# Altium PCB PCB5.PcbDoc (continued)
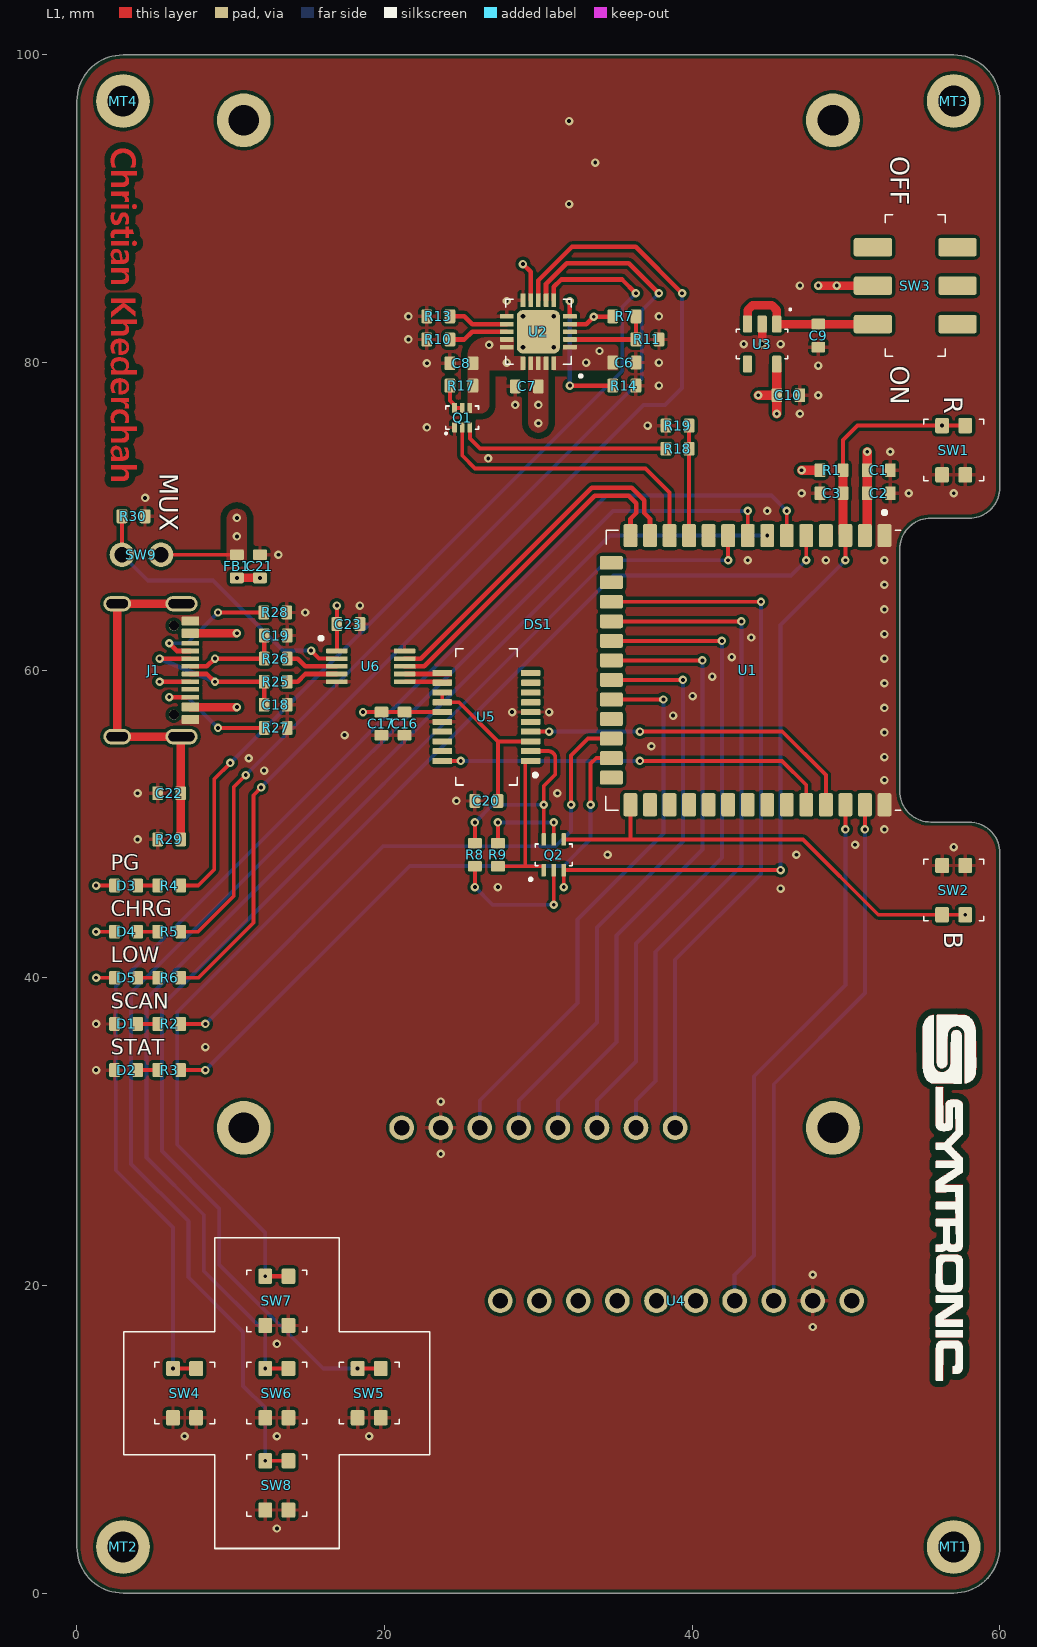
[diagram p0: L1 view]
## Components (designator, comment, footprint, x,y, rotation, side; value= is the part's Value field where it differs from the comment)
B1 "1200mAh" BATTERY 30,93 r0 bottom
C1 "22 μF" "CAPACITOR 0603" 52.13,73 r180 top
C2 "0.1 μF" "CAPACITOR 0603" 52.13,71.5 r180 top
C3 "1 μF" "CAPACITOR 0603" 49.06,71.5 r0 top
C4 "0.1 μF" "CAPACITOR 0603" 57,75.9 r180 bottom
C5 "0.1 μF" "CAPACITOR 0603" 57,44.1 r180 bottom
C6 "4.7 μF" "CAPACITOR 0603" 35.59,80 r180 top
C7 "10 μF" "CAPACITOR 0603" 29.25,78.45 r0 top
C8 "4.7 μF" "CAPACITOR 0603" 25,79.95 r180 top
C9 "4.7 μF" "CAPACITOR 0603" 48.2,81.75 r90 top
C10 "4.7 μF" "CAPACITOR 0603" 46.25,77.875 r0 top
C11 "0.1 μF" "CAPACITOR 0603" 7,14.6 r180 bottom
C12 "0.1 μF" "CAPACITOR 0603" 19,14.6 r180 bottom
C13 "0.1 μF" "CAPACITOR 0603" 13,14.6 r180 bottom
C14 "0.1 μF" "CAPACITOR 0603" 13,20.6 r180 bottom
C15 "0.1 μF" "CAPACITOR 0603" 13,8.6 r180 bottom
C16 "0.1 μF" "CAPACITOR 0603" 21.3,56.527 r90 top
C17 "4.7 μF" "CAPACITOR 0603" 19.8,56.527 r90 top
C18 "47 pF" "CAPACITOR 0603" 12.925,57.75 r180 top
C19 "47 pF" "CAPACITOR 0603" 12.925,62.25 r180 top
C20 "0.1 μF" "CAPACITOR 0603" 26.625,51.5 r0 top
C21 "10 nF" "CAPACITOR 0603" 11.9,66.75 r270 top
C22 "4.7 μF" "CAPACITOR 0603" 6,52 r0 top
C23 "0.1 μF" "Capacitor 0603" 17.65,63 r180 top
D1 "Blue" "LED 0603" 3.2,37 r180 top
D2 "Green" "LED 0603" 3.2,34 r180 top
D3 "Green" "LED 0603" 3.2,46 r0 top
D4 "Blue" "LED 0603" 3.2,43 r0 top
D5 "Red" "LED 0603" 3.2,40 r0 top
DS1 "FT231XS-R" SCREEN 30,63 r90 top locked
FB1 "0.6kΩ" "FERRITE BEAD 0603" 10.4,66.75 r90 top
J1 "USB4105-GF-A" USB4105-GF-A 5,60 r270 top locked
MT1 "Mounting" Mounting 57,3 r0 top
MT2 "Mounting" Mounting 3,3 r0 top
MT3 "Mounting" Mounting 57,97 r0 top
MT4 "Mounting" Mounting 3,97 r0 top
Q1 "DMC2400UV-7" "MOSFET N/P-CH" 25.05,76.415 r0 top
Q2 "MBT3904DW1T1G" "2NPN TRANSISTOR" 31,48 r0 top
R1 "10kΩ" "RESISTOR 0603" 49.06,73 r0 top
R2 "430Ω" "RESISTOR 0603" 6,37 r180 top
R3 "0.47kΩ" "RESISTOR 0603" 6,34 r180 top
R4 "0.47kΩ" "RESISTOR 0603" 6,46 r0 top
R5 "430Ω" "RESISTOR 0603" 6,43 r0 top
R6 "0.47kΩ" "RESISTOR 0603" 6,40 r0 top
R7 "330kΩ" "RESISTOR 0603" 35.59,83 r180 top
R8 "10kΩ" "RESISTOR 0603" 25.875,48 r270 top
R9 "10kΩ" "RESISTOR 0603" 27.375,48 r90 top
R10 "4.7kΩ" "RESISTOR 0603" 23.5,81.5 r180 top
R11 "110kΩ" "RESISTOR 0603" 37.09,81.5 r180 top
R13 "100kΩ" "RESISTOR 0603" 23.5,83 r180 top
R14 "10kΩ" "THERMISTOR 0603" 35.59,78.5 r0 top
R17 "110kΩ" "RESISTOR 0603" 25,78.5 r180 top
R18 "30kΩ" "RESISTOR 0603" 39.05,74.4 r180 top
R19 "110kΩ" "RESISTOR 0603" 39.05,75.9 r0 top
R25 "27Ω" "RESISTOR 0603" 12.925,59.25 r0 top
R26 "27Ω" "RESISTOR 0603" 12.925,60.75 r0 top
R27 "5.1kΩ" "RESISTOR 0603" 12.925,56.25 r180 top
R28 "5.1kΩ" "RESISTOR 0603" 12.9,63.75 r180 top
R29 "100kΩ" "RESISTOR 0603" 6,49 r0 top
R30 "10kΩ" "RESISTOR 0603" 3.68,70 r0 top
SW1 "R-667843" R-667843 57,74.3 r90 top
SW2 "R-667843" R-667843 57,45.7 r90 top
SW3 "JS202011SCQN" JS202011SCQN 54.5,85 r90 top
SW4 "R-667843" R-667843 7,13 r90 top
SW5 "R-667843" R-667843 19,13 r90 top
SW6 "R-667843" R-667843 13,13 r90 top
SW7 "R-667843" R-667843 13,19 r90 top
SW8 "R-667843" R-667843 13,7 r90 top
SW9 "JUMPER" JUMPER 4.2,67.5 r270 top locked
U1 "ESP32-S3-WROOM-1-N16" ESP32-C3-WROOM-1 52.5,60 r270 top locked
U2 "MCP73871T-2CCI/ML" MCP73871 30,82 r180 top
U3 "TLV75533PDBVR" TLV75533PDBVR 44.55,81.2 r270 top
U4 "YUMILI1otydzvg2c" GY-9250 38.95,19 r270 top locked
U5 "FT231XS-R" FT231XS-R 26.625,56.959 r90 top
U6 "FSUSB42MUX" FSUSB42MUX 19.1,60.25 r270 top

## Footprints (in the part's own frame and the unit in brackets; to place one, negate y for a bottom-side part, rotate by r counter-clockwise, add the part's x,y. Pads: shape width x height; smd on the part's side, far side on the other; paste and mask are expansions set on the pad)
"2NPN TRANSISTOR" [mm]
  rrect25% 0.3x0.8 smd: 1(-0.65,-1) 2(0,-1) 3(0.65,-1) 4(-0.65,1) 5(0,1) 6(0.65,1)
  silkscreen extent -1.55,-1.65 1.2,0.7, body extent -1.01,-1.1 1.01,1.1, height 1.1
BATTERY [mm]
  rrect25% 2x4 smd: +(-2,0) -(2,0)
"CAPACITOR 0603" [mm] "Capacitor0603"
  rrect25% 0.7x0.9 smd: A(-0.75,0) B(0.75,0)
  body extent -0.8,-0.4 0.8,0.4, height 0.9
"Capacitor 0603" [mm] "Capacitor0603"
  rrect25% 0.7x0.9 smd: A(-0.75,0) B(0.75,0)
  body extent -0.8,-0.4 0.8,0.4, height 0.9
ESP32-C3-WROOM-1 [mm] "MCU"
  rrect25% 1.5x0.9 smd: 1(-8.75,0) 2(-8.75,-1.27) 3(-8.75,-2.54) 4(-8.75,-3.81) 5(-8.75,-5.08) 6(-8.75,-6.35) 7(-8.75,-7.62) 8(-8.75,-8.89) 9(-8.75,-10.16) 10(-8.75,-11.43) 11(-8.75,-12.7) 12(-8.75,-13.97) 13(-8.75,-15.24) 14(-8.75,-16.51) 27(8.75,-16.51) 28(8.75,-15.24) 29(8.75,-13.97) 30(8.75,-12.7) 31(8.75,-11.43) 32(8.75,-10.16) 33(8.75,-8.89) 34(8.75,-7.62) 35(8.75,-6.35) 36(8.75,-5.08) 37(8.75,-3.81) 38(8.75,-2.54) 39(8.75,-1.27) 40(8.75,0)
  rrect25% 0.9x1.5 smd: 15(-6.985,-17.757) 16(-5.715,-17.757) 17(-4.445,-17.757) 18(-3.175,-17.757) 19(-1.905,-17.757) 20(-0.635,-17.757) 21(0.635,-17.757) 22(1.905,-17.757) 23(3.175,-17.757) 24(4.445,-17.757) 25(5.715,-17.757) 26(6.985,-17.757)
  silkscreen extent -10.36,-18.12 9.1,1.05, body extent -9,-18.01 9,7.49, height 3.25
"FERRITE BEAD 0603" [mm] "Ferrite Bead 0603"
  rrect25% 0.7x0.9 smd: A(-0.75,0) B(0.75,0)
  body extent -0.8,-0.4 0.8,0.4, height 0.95
FSUSB42MUX [mm]
  rrect25% 0.3x1.4 smd: 1(-1,-2.2) 2(-0.5,-2.2) 3(0,-2.2) 4(0.5,-2.2) 5(1,-2.2) 6(1,2.2) 7(0.5,2.2) 8(0,2.2) 9(-0.5,2.2) 10(-1,2.2)
  silkscreen extent -1.92,-3.32 -1.73,-3.13, body extent -1.5,-2.45 1.5,2.45, height 1.1
FT231XS-R [mil] "USB to UART Bridge"
  rrect25% 15.75x50 smd mask+1.97: 1(-112.5,-113) 2(-87.5,-113) 3(-62.5,-113) 4(-37.5,-113) 5(-12.5,-113) 6(12.5,-113) 7(37.5,-113) 8(62.5,-113) 9(87.5,-113) 10(112.5,-113) 11(112.5,113) 12(87.5,113) 13(62.5,113) 14(37.5,113) 15(12.5,113) 16(-12.5,113) 17(-37.5,113) 18(-62.5,113) 19(-87.5,113) 20(-112.5,113)
  silkscreen extent -174,-129 174,79, body extent -170,-118 170,118, height 69
GY-9250 [mm] "IMU"
  round 1.6 hole 1: 1(0,11.43) 2(0,8.89) 3(0,6.35) 4(0,3.81) 5(0,1.27) 6(0,-1.27) 7(0,-3.81) 8(0,-6.35) 9(0,-8.89) 10(0,-11.43)
  body extent -1.5,-12.7 13.5,12.7, height 6.1
JS202011SCQN [mm] "SWITCH SLIDE DPDT 300MA 6V"
  rrect25% 1.2x2.5 smd: 1(-2.5,-2.75) 2(0,-2.75) 3(2.5,-2.75) 4(-2.5,2.75) 5(0,2.75) 6(2.5,2.75)
  silkscreen extent -4.6,-1.95 4.6,1.95, body extent -4.5,-3.75 4.5,3.75, height 5.51
JUMPER [mm]
  round 1.6 hole 1: A(0,1.27) B(0,-1.27)
  body extent -1.27,-2.67 1.27,2.54, height 7.88
"LED 0603" [mm] "Resistor 0603"
  rrect25% 0.7x0.9 smd: A(-0.75,0) B(0.75,0)
  body extent -0.8,-0.4 0.8,0.4, height 0.35
MCP73871 [mm]
  rrect25% 0.9x0.3 smd: 1(-2.05,1) 2(-2.05,0.5) 3(-2.05,0) 4(-2.05,-0.5) 5(-2.05,-1) 11(2.05,-1) 12(2.05,-0.5) 13(2.05,0) 14(2.05,0.5) 15(2.05,1)
  rrect25% 0.3x0.9 smd: 6(-1,-2.05) 7(-0.5,-2.05) 8(0,-2.05) 9(0.5,-2.05) 10(1,-2.05) 16(1,2.05) 17(0.5,2.05) 18(0,2.05) 19(-0.5,2.05) 20(-1,2.05)
  rrect25% 2.8x2.8 smd: 21(0,0)
  silkscreen extent -2.8,-2.1 2.12,2.92, body extent -2,-2 2,2, height 1
"MOSFET N/P-CH" [mm] "MOSFET N/P-CH"
  rrect25% 0.3x0.67 smd: 1(-0.5,-0.635) 2(0,-0.635) 3(0.5,-0.635) 4(-0.5,0.635) 5(0,0.635) 6(0.5,0.635)
  silkscreen extent -1.06,-1.03 1.06,0.76, body extent -0.8,-0.8 0.8,0.8, height 0.6
Mounting [mm]
  round 3.5 hole 2: X(0,0)
R-667843 [mm] "SWITCH TACTILE SPST-NO 0.05A 12V"
  rrect25% 1x0.9 smd: A(-1.6,-0.75) A(-1.6,0.75) B(1.6,-0.75) B(1.6,0.75)
  silkscreen extent -2,-1.95 2,1.95, body extent -1.95,-1.9 1.95,1.9, height 1.5
"RESISTOR 0603" [mm] "Resistor 0603"
  rrect25% 0.7x0.9 smd: A(-0.75,0) B(0.75,0)
  body extent -0.8,-0.4 0.8,0.4, height 0.55
SCREEN [mm]
  round 1.6 hole 1: 1(-32.75,8.89) 2(-32.75,6.35) 3(-32.75,3.81) 4(-32.75,1.27) 5(-32.75,-1.27) 6(-32.75,-3.81) 7(-32.75,-6.35) 8(-32.75,-8.89)
  round 3.5 hole 2: X(-32.75,-19.15) X(-32.75,19.15) X(32.75,-19.15) X(32.75,19.15)
  body extent -35.25,-21.65 35.25,21.65, height 7
"THERMISTOR 0603" [mm] "Thermistor 0603"
  rrect25% 0.7x0.9 smd: A(-0.75,0) B(0.75,0)
  body extent -0.8,-0.4 0.8,0.4, height 0.9
TLV75533PDBVR [mm] "IC REG LINEAR 3.3V 500MA SOT23-5"
  rrect25% 1.1x0.6 smd: 1(-1.3,0.95) 2(-1.3,0) 3(-1.3,-0.95) 4(1.3,-0.95) 5(1.3,0.95)
  silkscreen extent -2.25,-1.67 0.96,1.83, body extent -1.4,-1.45 1.4,1.45, height 1.45
USB4105-GF-A [mm] "CONN RCPT TYPE C 6P SMD RA"
  round 0.65 hole 0.65 unplated paste+0: 36(-2.89,1.303)
  round 0.65 hole 0.65 unplated mask+0.102: 36(2.89,1.303)
  rrect25% 0.6x1.15 smd: A1(-3.2,2.378) A4(-2.4,2.378) B1(3.2,2.378) B4(2.4,2.378)
  rrect25% 0.3x1.15 smd: A5(-1.25,2.378) A6(-0.25,2.378) A7(0.25,2.378) A8(1.25,2.378) B5(1.75,2.378) B6(0.75,2.378) B7(-0.75,2.378) B8(-1.75,2.378)
  oval 1x2.1 hole 0.6 slot 1.7 at 90 deg: SHELL(-4.32,1.803) SHELL(4.32,1.803)
  oval 1x1.8 hole 0.6 slot 1.4 at 90 deg: SHELL(-4.32,-2.377) SHELL(4.32,-2.377)
  body extent -4.47,-4.98 4.47,2.73, height 3.31

## Part data
B1: library part Battery, "Lipobatteri - 103040 - 1.200 mAh", Manufacturer=batterikungen, Manufacturer Part Number=103040, Supplier Part Number 1=827-016, Supplier 1=Batterikungen
C1: library part "22 μF 0603", "Capacitor 22 μF", Manufacturer="Murata Electronics", Manufacturer Part Number=GRM188R60G226MEA0D, Supplier Part Number 1=490-5526-1-ND, Supplier 1=Digikey
C2 C4 C5 C11 C12 C13 C14 C15 C16 C20 C23: library part "0.1 μF 0603", "Capacitor 0.1 μF", Manufacturer="Samsung Electro-Mechanics", Manufacturer Part Number=CL10B104KB8NNWC, Supplier Part Number 1=1276-1935-1-ND, Supplier 1=Digikey
C3: library part "1 μF 0603", "Capacitor 1 μF", Manufacturer="Samsung Electro-Mechanics", Manufacturer Part Number=CL10A105KA8NNNC, Supplier Part Number 1=1276-1102-1-ND, Supplier 1=Digikey
C6 C8 C9 C10 C17 C22: library part "4,7 μF 0603", "Capacitor 4.7 μF", Manufacturer="Samsung Electro-Mechanics", Manufacturer Part Number=CL10A475KP8NNNC, Supplier Part Number 1=1276-1044-1-ND, Supplier 1=Digikey
C7: library part "10 μF 0603", "Capacitor 10 μF", Manufacturer="Samsung Electro-Mechanics", Manufacturer Part Number=CL10A106MQ8NNNC, Supplier Part Number 1=1276-1119-1-ND, Supplier 1=Digikey
C18 C19: library part "47 pF 0603", "Capacitor 47 pF", Manufacturer="Walsin Technology Corporation", Manufacturer Part Number=0603N470J500CT, Supplier Part Number 1=1292-1528-1-ND, Supplier 1=Digikey
C21: library part "10 nF 0603", "Capacitor 10 nF", Manufacturer="Samsung Electro-Mechanics", Manufacturer Part Number=CL10B103KB8NNNC, Supplier Part Number 1=1276-1009-1-ND, Supplier 1=Digikey
D1 D4: library part D.Blue, "Diode Blue", Manufacturer="Lite-On Inc.", Manufacturer Part Number=LTST-C193TBKT-5A, Supplier Part Number 1=160-1827-1-ND, Supplier 1=Digikey
D2 D3: library part D.Green, "Diode Green", Manufacturer="Lumex Opto/Components Inc.", Manufacturer Part Number=SML-LXFT0603GC-TR, Supplier Part Number 1=67-SML-LXFT0603GC-TRCT-ND, Supplier 1=Digikey
D5: library part D.Red, "Diode Red", Manufacturer="Lite-On Inc.", Manufacturer Part Number=LTST-C190KRKT, Supplier Part Number 1=160-1436-1-ND, Supplier 1=Digikey
DS1: library part LCD-screen, "240×320, General 2.4inch LCD Display Module, 65K RGB", Manufacturer="FTDI, Future Technology Devices International Ltd", Supplier Part Number 1=768-1129-1-ND, Manufacturer Part Number=FT231XS-R, Supplier 1=Waveshare
FB1: library part "FB 0.6 kΩ 0603", "Ferrite Bead 600 Ω", Manufacturer="Murata Electronics", Manufacturer Part Number=BLM18AG601SN1D, Supplier Part Number 1=490-1014-1-ND, Supplier 1=Digikey
J1: "CONN RCPT TYPE C 6P SMD RA", Manufacturer=GCT, Supplier Part Number 1=2073-USB4105-GF-ACT-ND, Manufacturer Part Number=USB4105-GF-A, Supplier 1=Digikey
Q1: "MOSFET N/P-CH 20V SOT563", Manufacturer="Diodes Incorporated", Supplier Part Number 1=DMC2400UV-7DICT-ND, Manufacturer Part Number=DMC2400UV-7, Supplier 1=Digikey
Q2: "TRANS 2NPN 40V 0.2A SC88/SC70-6", Manufacturer=onsemi, Supplier Part Number 1=MBT3904DW1T1GOSCT-ND, Manufacturer Part Number=MBT3904DW1T1G, Supplier 1=Digikey
R1 R8 R9 R30: library part "10 kΩ 0603", "Resistor 10000 Ω", Manufacturer="Stackpole Electronics Inc", Manufacturer Part Number=RMCF0603FT10K0, Supplier Part Number 1=RMCF0603FT10K0CT-ND, Supplier 1=Digikey
R2 R5: library part "430 Ω 0603", "Resistor 430 Ω", Manufacturer="Stackpole Electronics Inc", Manufacturer Part Number=RMCF0603JT430R, Supplier Part Number 1=RMCF0603JT430RCT-ND, Supplier 1=Digikey
R3 R4 R6: library part "0.47 kΩ 0603", "Resistor 470 Ω", Manufacturer="Stackpole Electronics Inc", Manufacturer Part Number=RMCF0603FT470R, Supplier Part Number 1=RMCF0603FT470RCT-ND, Supplier 1=Digikey
R7: library part "330 kΩ 0603", "Resistor 330000 Ω", Manufacturer=YAGEO, Manufacturer Part Number=RC0603JR-07330KL, Supplier Part Number 1=311-330KGRCT-ND, Supplier 1=Digikey
R10: library part "4.7 kΩ 0603", "Resistor 4700 Ω", Manufacturer="Stackpole Electronics Inc", Manufacturer Part Number=RMCF0603FT4K70, Supplier Part Number 1=RMCF0603FT4K70CT-ND, Supplier 1=Digikey
R11 R17 R19: library part "110 kΩ 0603", "Resistor 110000 Ω", Manufacturer="Stackpole Electronics Inc", Manufacturer Part Number=RMCF0603FT110K, Supplier Part Number 1=RMCF0603FT110KCT-ND, Supplier 1=Digikey
R13 R29: library part "100 kΩ 0603", "Resistor 100000 Ω", Manufacturer="Stackpole Electronics Inc", Manufacturer Part Number=RMCF0603FT100K, Supplier Part Number 1=RMCF0603FT100KCT-ND, Supplier 1=Digikey
R14: library part "NTC 10 KΩ 0603", "Thermistor 10000 Ω", Manufacturer="Panasonic Electronic Components", Manufacturer Part Number=ERT-J1VR103J, Supplier Part Number 1=P10547CT-ND, Supplier 1=Digikey
R18: library part "30 kΩ 0603", "Resistor 30000 Ω", Manufacturer=YAGEO, Manufacturer Part Number=RC0603FR-0730KL, Supplier Part Number 1=311-30.0KHRCT-ND, Supplier 1=Digikey
R25 R26: library part "27 Ω 0603", "Resistor 27 Ω", Manufacturer="Stackpole Electronics Inc", Manufacturer Part Number=RMCF0603FT27R0, Supplier Part Number 1=RMCF0603FT27R0CT-ND, Supplier 1=Digikey
R27 R28: library part "5.1 kΩ 0603", "Resistor 5100 Ω", Manufacturer="Stackpole Electronics IncStackpole Electronics Inc", Manufacturer Part Number=RMCF0603FT5K10, Supplier Part Number 1=RMCF0603FT5K10CT-ND, Supplier 1=Digikey
SW1 SW2 SW4 SW5 SW6 SW7 SW8: "SWITCH TACTILE SPST-NO 0.05A 12V", Manufacturer="Mitsumi Electric Company Ltd", Supplier Part Number 1=2508-R-667843CT-ND, Manufacturer Part Number=R-667843, Supplier 1=Digikey
SW3: "SWITCH SLIDE DPDT 300MA 6V", Manufacturer=C&K, Supplier Part Number 1=401-2002-1-ND, Manufacturer Part Number=JS202011SCQN, Supplier 1=Digikey
SW9: library part Jumper
U1: "RF TXRX MODULE BT PCB TRACE SMD", Manufacturer="Espressif Systems", Supplier Part Number 1=1965-ESP32-S3-WROOM-1-N16CT-ND, Manufacturer Part Number=ESP32-S3-WROOM-1-N16, Supplier 1=Digikey
U2: library part MCP73871, "IC BATT CHG LI-ION 1CELL 20QFN", Manufacturer="Microchip Technology", Supplier Part Number 1=MCP73871T-2CCI/MLDKR-ND, Manufacturer Part Number=MCP73871T-2CCI/ML, Supplier 1=Digikey
U3: "IC REG LINEAR 3.3V 500MA SOT23-5", Manufacturer="Texas Instruments", Supplier Part Number 1=296-50411-1-ND, Manufacturer Part Number=TLV75533PDBVR, Supplier 1=Digikey
U4: library part GY-9250, "YUMILI Gyroskopmodul MPU-9250 GY-9250 9-axel 16-bitars", Manufacturer=YUMILI, Supplier Part Number 1=B09XZQNQBV, Manufacturer Part Number=YUMILI1otydzvg2c, Supplier 1=Amazon
U5: library part FT231XS-R_1, "IC USB SERIAL FULL UART 20SSOP", Manufacturer="FTDI, Future Technology Devices International Ltd", Supplier Part Number 1=768-1129-1-ND, Manufacturer Part Number=FT231XS-R, Supplier 1=Digikey
U6: "IC USB SWITCH DPDT 10MSOP", Manufacturer=onsemi, Supplier Part Number 1=FSUSB42MUXCT-ND, Manufacturer Part Number=FSUSB42MUX, Supplier 1=Digikey

## Via types
v1: diameter 0.55, hole 0.25, L1 to L4, tented both sides, 154 vias
v2: diameter 0.5, hole 0.3, L1 to L4, 4 vias
v3: diameter 0.55, hole 0.25, L1 to L4, 1 vias

## Nets (pads, with @x,y where several pads share a name; then routed paths per layer and width w, separated by ;. In a path a pad name is that pad's centre, name@x,y a point inside that pad or via, vN(x,y) a via of type N, cw(c..) or ccw(c..) an arc to the next point about the centre after c; other vN are vias at no path point)
+3V3: C1.B C2.B C10.A DS1.1 R1.A U1.2 U3.5 U4.1 | length 11.1
  L1 w0.6: v1(44.3,77.875) C10.A ; v1(45.5,76.675) C10.A ; U3.5 C10.A ; v1(47.11,73) R1.A ; U1.2 51.38,68.9 C2.B C1.B v1(51.38,74.2)
A_n: U5.12 U6.6
A_p: U5.11 U6.7
B_n: U1.14 U6.8 | length 22.1
  L1 w0.3: U6.8 22.57,60.25 33.67,71.35 35.875,71.35 36.375,70.85 ; U1.14 35.99,69.835 36.375,70.22 36.375,70.84
B_p: U1.13 U6.9 | length 23
  L1 w0.3: U6.9 22.363,60.75 33.463,71.85 36.082,71.85 36.875,71.057 36.875,70.22 37.26,69.835 U1.13
C_n: R25.B U6.4 | length 3.4
  L1 w0.3: R25.B 14.358,59.25 14.858,59.75 U6.4
C_p: R26.B U6.3 | length 3.4
  L1 w0.3: R26.B 14.358,60.75 14.858,60.25 U6.3
D_n: C18.B J1.A7 J1.B7 R25.A | length 12.4
  L1 w0.3: v1(5.377,60.75) J1.B7 ; J1.A7 8.453,59.75 8.953,59.25 v1(8.978,59.25) R25.A C18.B
  L4 w0.3: v1(5.377,60.75) v1(8.978,59.25)
D_p: C19.B J1.A6 J1.B6 R26.A | length 12.4
  L1 w0.3: v1(5.377,59.25) J1.B6 ; J1.A6 8.453,60.25 8.953,60.75 v1(8.978,60.75) R26.A C19.B
  L3 (PWR) w0.3: v1(5.377,59.25) v1(8.978,60.75)
GND: B1.- C1.A C2.A C3.A C4.A C5.B C6.A C7.A C8.B C9.A C10.B C11.A C12.A C13.A C14.A C15.A C16.A C17.A C18.A C19.A C20.A C21.A C22.A C23.A D1.B D2.B DS1.2 J1.A1 J1.B1 Q1.1 R10.B R11.A R13.B R14.B R19.A R27.A R28.A R29.A R30.B SW1.A SW2.B SW4.A SW5.A SW6.A SW7.A SW8.A U1.1 U1.40 U2.3 U2.10 U2.11 U2.21 U3.2 U4.2 U5.6 U5.16 U6.5 U6.10 | length 1.3
  L1 w0.55: v1(44.55,81.2) U3.2
  other v1: 13,4.2 7,10.2 13,10.2 19,10.2 13,16.2 47.84,17.3 47.84,20.7 23.65,28.55 23.65,31.95 1.25,34 8.357,35.5 1.25,37 45.745,45.8 27.375,45.9 34.5,48 57,48.5 50.595,48.65 3.95,49 52.5,49.65 24.675,51.5 3.95,52 31.24,52 52.5,52.85 12.175,53.475 11.175,54.275 52.5,54.35 37.35,55.054 17.4,55.777 52.5,55.95 38.76,57.045 28.295,57.277 30.695,57.277 52.5,57.55 40.03,58.315 52.5,59.15 41.3,59.585 52.5,60.75 42.57,60.855 43.84,62.125 52.5,62.35 14.85,63.75 52.5,63.95 18.4,64.2 52.5,65.55 43.61,67.15 48.69,67.15 52.5,67.15 13.1,67.5 44.88,70.35 4.43,71.2 47.11,71.5 54.08,71.5 57,71.5 26.747,73.766 52.88,74.2 22.75,75.78 37.1,75.9 47,76.675 28.5,77.25 48.2,77.875 37.84,78.5 48.2,79.8 22.75,79.95 37.84,80 43.35,81.2 45.75,81.2 21.55,81.5 21.55,83 37.84,83 27.95,84 47,85 32,90.3 33.7,93 32,95.7
  other v2: 29,81 31,81 29,83 31,83
  other v3: 46.775,48
NetC3_B: C3.B C4.B Q2.3 R1.B SW1.B U1.3 | length 53.4
  L1 w0.25: v1@31.65,45.8 v1(31.65,45.9) Q2.3 v1(45.745,47) ; R1.B 49.81,74.96 50.75,75.9 v1(56.25,75.9) SW1.B@57.75,75.9 ; v1(49.96,67.15) U1.3
  L1 w0.6: R1.B C3.B 49.81,68.9 U1.3
  L4 w0.25: v1(45.745,47) 45.745,62.935 v1(49.96,67.15)
NetC5_A: C5.A Q2.6 SW2.A U1.27 | length 30.4
  L1 w0.25: Q2.6 35.99,49 ; U1.27 35.99,49 ; v1(57.75,44.1) 56.25,44.1 52.1,44.1 47.2,49 35.99,49
NetC9_B: C9.B SW3.4 U3.1 U3.3 | length 10.2
  L1 w0.55: U3.3 43.6,83.403 43.922,83.725 45.178,83.725 45.5,83.403 U3.1 C9.B SW3.4
NetC11_B: C11.B SW4.B U1.6 | length 86.7
  L1 w0.25: v1(6.25,14.6) SW4.B@7.75,14.6 ; U1.6 v1(46.15,70.35)
  L4 w0.25: v1(6.25,14.6) 6.25,23.765 2.525,27.49 2.525,39.443 34.432,71.35 45.15,71.35 v1(46.15,70.35)
NetC12_B: C12.B SW5.B U1.9 | length 82.1
  L1 w0.25: v1(18.25,14.6) SW5.B@19.75,14.6 ; v1(42.34,67.15) U1.9
  L4 w0.25: v1(18.25,14.6) 16.013,14.6 9.25,21.363 9.25,25.008 5.525,28.733 5.525,38.2 34.475,67.15 v1(42.34,67.15)
NetC13_B: C13.B SW6.B U1.7 | length 81.6
  L1 w0.25: v1(12.25,14.6) SW6.B@13.75,14.6
  L4 w0.25: v1(12.25,14.6) 12.25,16.949 8.25,20.949 8.25,24.593 4.525,28.318 4.525,38.614 34.661,68.75 v1(44.88,68.75)
NetC14_B: C14.B SW7.B U1.5 | length 75.7
  L1 w0.25: v1(47.42,67.15) U1.5
  L1 w0.3: v1(12.25,20.6) SW7.B@13.75,20.6
  L4 w0.25: v1(12.25,20.6) 12.25,23.422 6.525,29.147 6.525,37.786 34.889,66.15 46.42,66.15 v1(47.42,67.15)
NetC15_B: C15.B SW8.B U1.8 | length 90.2
  L1 w0.25: v1(12.25,8.6) SW8.B@13.75,8.6 ; U1.8 v1(43.61,70.35)
  L4 w0.25: v1(12.25,8.6) 12.25,12.025 10.8,13.475 10.8,16.984 7.25,20.534 7.25,24.179 3.525,27.904 3.525,39.028 34.847,70.35 v1(43.61,70.35)
NetC20_B: C20.B U5.3 U5.13 U5.14 | length 11.3
  L1 w0.25: U5.13 U5.14 24.835,57.912 27.375,55.372 ; C20.B 27.375,55.372 ; U5.3 27.375,55.372
NetC22_B: C22.B J1.SHELL R29.B | length 23.7
  L1 w0.55: R29.B C22.B 6.75,55.627 6.803,55.68 2.623,55.68 2.623,64.32 J1.SHELL@6.803,64.32
NetD1_A: D1.A R2.B | length 1.3
  L1 w0.25: D1.A R2.B
NetD2_A: D2.A R3.B | length 1.3
  L1 w0.25: D2.A R3.B
NetD3_B: D3.B R4.A | length 1.3
  L1 w0.25: D3.B R4.A
NetD4_B: D4.B R5.A | length 1.3
  L1 w0.25: D4.B R5.A
NetD5_B: D5.B R6.A | length 1.3
  L1 w0.25: D5.B R6.A
NetDS1_3: DS1.3 U1.22 | length 36.2
  L1 w0.25: U1.22 v1(38.125,58.095)
  L4 w0.25: DS1.3 26.19,32.015 32.54,38.365 32.54,43.803 38.125,49.388 v1(38.125,58.095)
NetDS1_4: DS1.4 U1.21 | length 38.2
  L1 w0.25: U1.21 v1(39.395,59.365)
  L4 w0.25: DS1.4 28.73,32.015 33.81,37.095 33.81,43.277 39.395,48.862 v1(39.395,59.365)
NetDS1_5: DS1.5 U1.20 | length 40.2
  L1 w0.25: U1.20 v1(40.665,60.635)
  L4 w0.25: DS1.5 31.27,32.015 35.08,35.825 35.08,42.751 40.665,48.336 v1(40.665,60.635)
NetDS1_6: DS1.6 U1.19 | length 42.2
  L1 w0.25: U1.19 v1(41.935,61.905)
  L4 w0.25: DS1.6 33.81,32.015 36.35,34.555 36.35,42.225 41.935,47.81 v1(41.935,61.905)
NetDS1_7: DS1.7 U1.18 | length 44.2
  L1 w0.25: U1.18 v1(43.205,63.175)
  L4 w0.25: DS1.7 36.35,32.015 37.62,33.285 37.62,41.699 43.205,47.284 v1(43.205,63.175)
NetDS1_8: DS1.8 U1.17 | length 46.2
  L1 w0.25: U1.17 44.47,64.445 v1(44.475,64.45)
  L4 w0.25: DS1.8 38.89,41.173 44.475,46.758 v1(44.475,64.45)
NetJ1_A5: J1.A5 R28.B | length 8.6
  L1 w0.25: v1(9.175,63.75) R28.B
  L1 w0.3: v1(6,61.75) 6.5,61.25 J1.A5
  L4 w0.25: v1(6,61.75) 7.175,61.75 v1(9.175,63.75)
NetJ1_B5: J1.B5 R27.B | length 8.4
  L1 w0.25: v1(9.175,56.25) R27.B
  L1 w0.3: v1(6,58.25) J1.B5
  L4 w0.25: v1(6,58.25) 7.175,58.25 v1(9.175,56.25)
NetQ1_2: Q1.2 U1.12 | length 19.1
  L1 w0.25: Q1.2 25.05,73.95 25.883,73.117 36.958,73.117 38.53,71.545 U1.12
NetQ1_3: Q1.3 R18.B | length 13.7
  L1 w0.254: Q1.3 25.55,75.05 26.2,74.4 R18.B@38.25,74.4
NetQ1_4: Q1.4 Q1.5 R17.B | length 2.1
  L1 w0.25: R17.B 24.25,77.535 24.55,77.235 Q1.4 Q1.5
NetQ2_1: Q2.1 R9.A U5.1 | length 10.4
  L1 w0.25: R9.A 29.15,47.25 ; U5.1 29.225,54.102 29.15,54.027 29.15,47.25 ; Q2.1 30.35,47.225 30.325,47.25 29.15,47.25
NetQ2_2: Q2.2 R8.B | length 9.2
  L1 w0.25: v1(25.875,45.9) R8.B ; v1(31,44.75) Q2.2
  L4 w0.25: v1(25.875,45.9) 27.025,44.75 v1(31,44.75)
NetQ2_4: Q2.4 R8.A U5.2 | length 13.8
  L1 w0.25: R8.A v1(25.875,50.1) ; U5.2 30.663,54.737 cw(c30.663,54.3) 31.1,54.3 31.1,53.225 30.35,52.475 v1(30.35,51.25) Q2.4
  L4 w0.25: v1(25.875,50.1) 27.025,51.25 v1(30.35,51.25)
NetQ2_5: Q2.5 R9.B | length 6.1
  L1 w0.25: R9.B v1(27.375,50.1) ; Q2.5 v1(31,50.1)
  L4 w0.25: v1(27.375,50.1) v1(31,50.1)
NetR2_A: R2.A U1.24 | length 38.5
  L1 w0.25: R2.A v1(8.357,37) ; v1(32.13,51.25) 32.13,54.451 33.234,55.555 U1.24
  L4 w0.25: v1(8.357,37) 19.907,48.55 31.125,48.55 32.13,49.555 v1(32.13,51.25)
NetR3_A: R3.A U1.25 | length 39.3
  L1 w0.25: R3.A v1(8.357,34) ; v1(33.4,51.25) 33.4,53.925 33.76,54.285 U1.25
  L4 w0.25: v1(8.357,34) 21.637,47.28 31.651,47.28 33.4,49.029 v1(33.4,51.25)
NetR4_B: R4.B U2.6 | length 58.2
  L1 w0.25: R4.B 7.888,46 8.927,47.039 8.927,52.927 v1(9.975,53.975)
  L1 w0.3: U2.6 31,84.918 31.482,85.4 35.44,85.4 v1(36.34,84.5)
  L4 w0.25: v1(9.975,53.975) 35.45,79.45 35.45,83.61 v1(36.34,84.5)
NetR5_B: R5.B U2.7 | length 64.8
  L1 w0.25: R5.B 7.888,43 10.2,45.312 10.2,52.4 v1(10.975,53.175)
  L1 w0.3: U2.7 30.5,85.125 31.836,86.461 35.879,86.461 v1(37.84,84.5)
  L4 w0.25: v1(10.975,53.175) 36.723,78.923 36.723,83.383 v1(37.84,84.5)
NetR6_B: R6.B U2.8 | length 72.3
  L1 w0.25: R6.B 7.888,40 11.473,43.585 11.473,51.873 v1(11.975,52.375)
  L1 w0.3: U2.8 30,85.332 32.189,87.521 36.319,87.521 v1(39.34,84.5)
  L4 w0.25: v1(11.975,52.375) 36.833,77.233 38.233,77.233 39.34,78.34 v1(39.34,84.5)
NetR7_A: R7.A R11.B U2.2 | length 5.8
  L1 w0.25: R11.B R7.A@36.34,82.975
  L1 w0.3: U2.2 R11.B
NetR10_A: R10.A U2.13 | length 3.9
  L1 w0.3: R10.A 25.193,81.5 25.693,82 U2.13
NetR13_A: R13.A U2.12 | length 3.9
  L1 w0.3: R13.A 25.193,83 25.693,82.5 U2.12
NetR14_A: R14.A U2.5 | length 9.3
  L1 w0.3: v1(32.05,78.5) R14.A ; U2.5 v1(32.05,84)
  L4 w0.3: v1(32.05,78.5) v1(32.05,84)
NetR18_A: R18.A R19.B U1.11 | length 7.2
  L1 w0.25: U1.11 R18.A R19.B
NetR30_A: R30.A SW9.B U6.2 | length 19.3
  L1 w0.25: SW9.B R30.A ; v1(15.225,61.275) 15.75,60.75 U6.2
  L4 w0.25: SW9.B 4.605,65.825 8.852,65.825 13.402,61.275 v1(15.225,61.275)
NetU1_36: U1.36 U5.20 | length 25.6
  L1 w0.25: U5.20 v1(24.955,54.102) ; v1(36.6,54.102) 45.848,54.102 47.42,52.53 U1.36
  L4 w0.25: v1(24.955,54.102) v1(36.6,54.102)
NetU1_37: U1.37 U5.4 | length 22.3
  L1 w0.25: U5.4 v1(30.695,56.007) ; v1(36.6,56.007) 45.858,56.007 48.69,53.175 U1.37
  L4 w0.25: v1(30.695,56.007) v1(36.6,56.007)
NetU1_38: U1.38 U4.4 | length 35.2
  L1 w0.25: v1(49.96,49.65) U1.38
  L4 w0.25: U4.4 42.76,20.685 44.03,21.955 44.03,33.605 49.96,39.535 v1(49.96,49.65)
NetU1_39: U1.39 U4.3 | length 34.7
  L1 w0.25: v1(51.23,49.65) U1.39
  L4 w0.25: U4.3 45.3,33.079 51.23,39.009 v1(51.23,49.65)
VBat: B1.+ C8.A Q1.6 R17.A U2.14 U2.15 U2.16
  other v1: 27.95,80 26.8,81.15
VBUS: C7.B C16.B C17.B C23.B D3.A D4.A D5.A FB1.B R7.B SW9.A U2.4 U2.9 U2.17 U2.18 U2.19 U5.15 U6.1 | length 22.2
  L1 w0.25: v1(1.25,40) D5.A ; v1(1.25,43) D4.A ; v1(1.25,46) D3.A ; SW9.A FB1.B ; U6.1 C23.B v1(16.9,64.2) ; v1(18.6,57.277) C17.B C16.B U5.15
  L1 w0.3: v1(29,86.4) 29.5,85.9 U2.9 ; U2.4 33.125,82.5 v1(33.6,82.975) R7.B@34.84,82.975
  other v1: 10.4,68.7 10.4,69.9 30,76.05 30,77.25
VCharger: C6.B SW3.5 U2.1 U2.20 | length 3.6
  L1 w0.55: v1(48.2,85) v1(49.4,85) SW3.5
  other v1: 33.1,80 33.975,80.75
VUSB: C21.B FB1.A J1.A4 J1.B4 | length 7.5
  L1 w0.55: J1.B4 v1(10.4,57.6) ; J1.A4 v1(10.4,62.4) ; v1(10.4,66) v1(11.9,66)
pads on no net: DS1.X J1.36 J1.A8 J1.B8 MT1.X MT2.X MT3.X MT4.X SW3.1 SW3.2 SW3.3 SW3.6 U1.4 U1.10 U1.15 U1.16 U1.23 U1.26 U1.28 U1.29 U1.30 U1.31 U1.32 U1.33 U1.34 U1.35 U3.4 U4.5 U4.6 U4.7 U4.8 U4.9 U4.10 U5.5 U5.7 U5.8 U5.9 U5.10 U5.17 U5.18 U5.19

## Polygon pours and split planes (outlines as drawn)
+3V3 on L3 (PWR) "NONET_L01_P-001" (solid, remove dead copper, pour order 32): 0,3 0,97 cw(c3,97) 3,100 57,100 cw(c57,97) 60,97 60,3 cw(c57,3) 57,0 3,0 cw(c3,3)
VBUS on L3 (PWR) "NONET_L01_P-001" (solid, pour order 26): 30.825,75.25 30.825,79.05 34.9,83.125 34.9,100 0,100 0,38.775 2.95,38.775 20.15,55.975 20.15,64.575
VCharger on L3 (PWR) "NONET_L01_P-001" (solid, remove dead copper, pour order 28): 50.35,86.4 cw(c50.35,85.9) 50.85,85.9 50.85,85.088 50.85,83.775 cw(c50.35,83.775) 50.35,83.275 46.95,83.275 43.05,83.275 ccw(c43.05,81.475) 41.25,81.475 41.25,79.25 cw(c39.525,79.25) 39.525,77.525 31.05,77.525 31.05,86.4
VUSB on L3 (PWR) "L3 (PWR)-VUSB" (solid, pour order 22): 12.4,66 ccw(c11.9,66) 11.9,66.5 10.4,66.5 ccw(c10.4,66) 9.9,66 ccw(c10.4,66) 10.4,65.5 11.4,65.5 11.4,62.9 10.4,62.9 ccw(c10.4,62.4) 9.9,62.4 ccw(c10.4,62.4) 10.4,61.9 11.4,61.9 11.4,58.1 10.4,58.1 ccw(c10.4,57.6) 9.9,57.6 ccw(c10.4,57.6) 10.4,57.1 11.9,57.1 ccw(c11.9,57.6) 12.4,57.6
GND on L4 "NONET_L01_P-001" (solid, remove dead copper, pour order 13): 0,3 0,97 cw(c3,97) 3,100 57,100 cw(c57,97) 60,97 60,3 cw(c57,3) 57,0 3,0 cw(c3,3)
VBat on L4 "L4-VBat" (solid, remove dead copper, pour order 11): 26,84.025 26,79 ccw(c26.5,79) 26.5,78.5 29.5,78.5 ccw(c29.5,79) 30,79 30,94.2 30,95.325 ccw(c29.5,95.325) 29.5,95.825 26.5,95.825 ccw(c26.5,95.325) 26,95.325 26,84.025
GND on L1 "NONET_L01_P-001" (solid, remove dead copper, pour order 31): 0.225,2.794 0.225,96.794 cw(c3.225,96.794) 3.225,99.794 57.225,99.794 cw(c57.225,96.794) 60.225,96.794 60.225,2.794 cw(c57.225,2.794) 57.225,-0.206 3.225,-0.206 cw(c3.225,2.794)
VBat on L1 "L1-VBat" (solid, pour order 25): 26.8,77.215 cw(c26.3,77.215) 26.3,76.715 25.4,76.715 25.4,80.4 cw(c26.65,80.4) 26.65,81.65 26.8,81.65 28.4,81.65 28.4,80.4 29.15,80.4 29.15,79.5 28.225,79.5 26.8,79.5
VCharger on L1 "L1-VCharger" (solid, remove dead copper, pour order 30): 34.925,81.15 cw(c34.925,80.885) 35.19,80.885 35.19,80.325 35.19,79.5 30.85,79.5 30.85,80.4 31.6,80.4 31.6,81.15 32.85,81.15
VBUS on L1 "NONET_L01_P-001" (solid, remove dead copper, pour order 24): 30,75.45 ccw(c30,76.1) 30.65,76.1 30.65,77.306 30.65,79.163 30.65,80.4 29.35,80.4 29.35,77.925 29.35,76.1 ccw(c30,76.1)
VBUS on L1 "NONET_L01_P-001" (solid, remove dead copper, pour order 29): 10.4,70.5 ccw(c10.4,69.85) 9.75,69.85 9.75,68.644 9.75,67.15 11.05,67.15 11.05,68.025 11.05,69.85 ccw(c10.4,69.85)
GND on L2 (GND) "NONET_L01_P-001" (solid, remove dead copper, pour order 1): 0,3 0,97 cw(c3,97) 3,100 57,100 cw(c57,97) 60,97 60,3 cw(c57,3) 57,0 3,0 cw(c3,3)

## Other copper
L1:
  drawing of 30 lines, arcs and shapes, not listed

## Silkscreen, mask and mechanical layers (free items; w line width, h text height)
Top Overlay:
  drawing of 19 lines, arcs and shapes, not listed
  text "OFF" at 52.9,93.399 h1.2 r270
  text "ON" at 52.9,79.8 h1.2 r270
  text "R" at 56.4,77.8 h1.2 r270
  text "MUX" at 5.4,72.799 h1.2 r270
  text "PG" at 2.2,47 h1
  text "CHRG" at 2.2,44 h1
  text "B" at 56.4,43 h1.2 r270
  text "LOW" at 2.2,41 h1
  text "SCAN" at 2.2,38 h1
  text "STAT" at 2.2,35 h1
Top Solder:
  drawing of 21 lines, arcs and shapes, not listed
Bottom Solder:
  text "Rev. 1.0 / 2024-02-27" at 4.194,76.077 h1.2 r270
Mechanical 1:
  lines w0.1: 53.5,67.875 cw(c55.5,67.875) 55.5,69.875 58,69.875 ccw(c58,71.875) 60,71.875 60,97 ccw(c57,97) 57,100 3,100 ccw(c3,97) 0,97 0,3 ccw(c3,3) 3,0 57,0 ccw(c57,3) 60,3 60,48.125 ; 53.5,67.875 53.5,52.125 ccw(c55.5,52.125) 55.5,50.125 58,50.125 cw(c58,48.125) 60,48.125 ; 53.5,67.875 53.5,67.875 ; 60,48.125 60,48.125